# Altium PCB RFSOC_SAWG.PcbDoc (part 7 of 15)
Units mm, origin at the board's own origin, x right, y up, seen from the top; angles counter-clockwise.
Board outline 221.25 x 100 mm, 8 copper layers (Top Layer, Mid-Layer 2, Mid-Layer 3, Mid-Layer 4, Mid-Layer 5, Mid-Layer 6, Mid-Layer 7, Bottom Layer), stack 1.455 mm thick; 1107 components, 833 nets, 3980 pads, 2483 vias.
Unrouted connection lines stored in the file: 1.
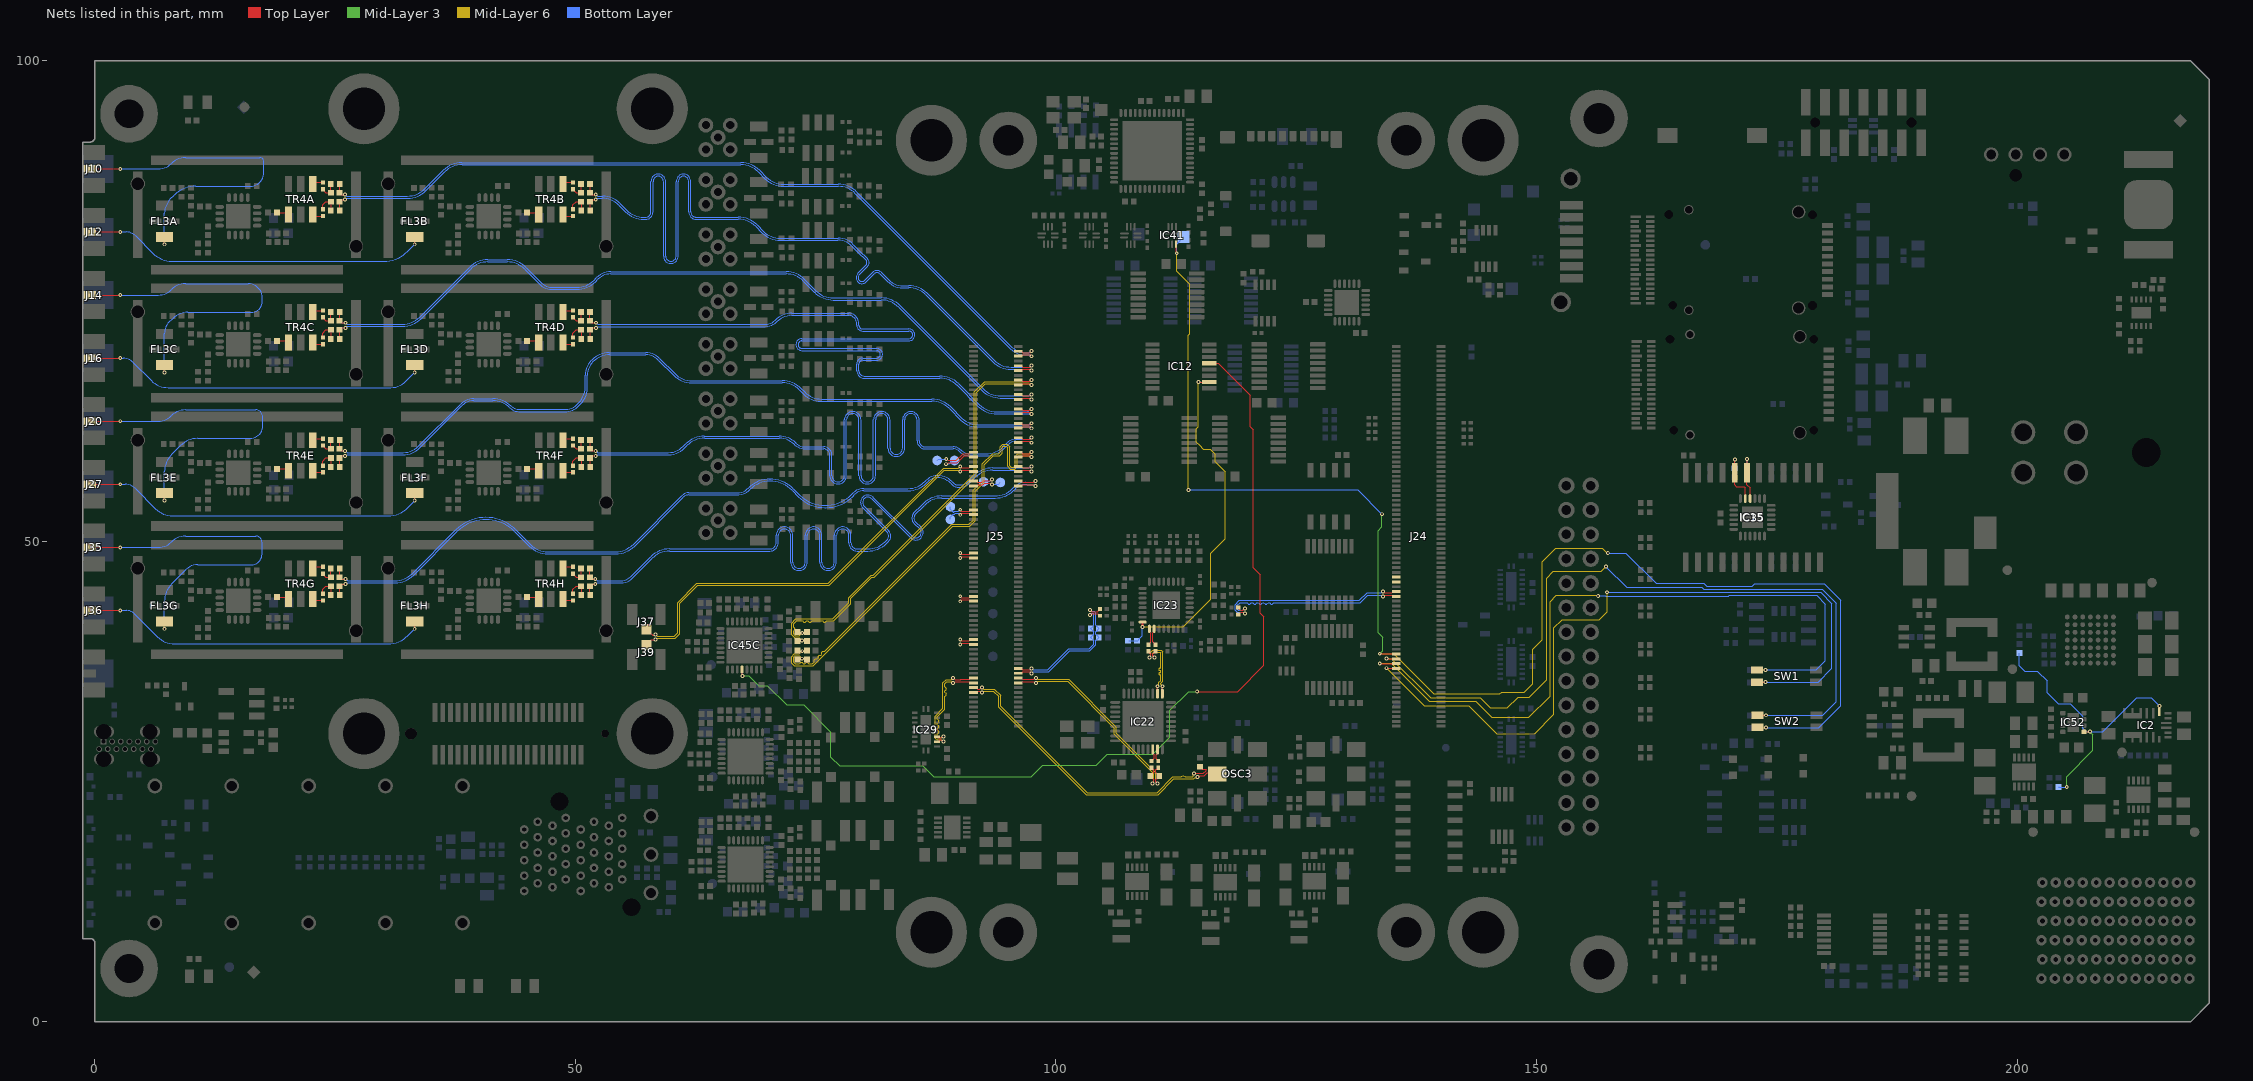
[diagram p13: the nets of this part, all layers, seen from the top]

## Via types
v1: diameter 0.4, hole 0.2, Top Layer to Bottom Layer, tented both sides, 1996 vias
v2: diameter 0.55, hole 0.2, Top Layer to Bottom Layer, 149 vias
v3: diameter 0.5, hole 0.2, Top Layer to Bottom Layer, tented both sides, 106 vias
v4: diameter 0.6, hole 0.3, Top Layer to Bottom Layer, tented both sides, 99 vias
v5: diameter 0.4, hole 0.15, Top Layer to Bottom Layer, tented both sides, 60 vias
v6: diameter 0.6, hole 0.3, Top Layer to Bottom Layer, 32 vias
v7: diameter 0.8, hole 0.5, Top Layer to Bottom Layer, tented both sides, 23 vias
v8: diameter 0.3/0.4/0.4/0.4/0.4/0.3 (per signal layer), hole 0.2, Top Layer to Bottom Layer, tented both sides, 12 vias
v9: diameter 0.4, hole 0.2, Top Layer to Bottom Layer, 5 vias
v10: diameter 0.5, hole 0.2, Top Layer to Bottom Layer, 1 vias

## Nets (pads, with @x,y where several pads share a name; then routed paths per layer and width w, separated by ;. In a path a pad name is that pad's centre, name@x,y a point inside that pad or via, vN(x,y) a via of type N, cw(c..) or ccw(c..) an arc to the next point about the centre after c; other vN are vias at no path point) (continued)
CEC: IC12.5 IC45C.4 | length 101.6
  Top Layer w0.127: IC45C.4@67.347,36.668 67.363,36.652 67.363,35.996 v1(67.379,35.98) ; v1(114.7,34.375) 118.925,34.375 121.65,37.1 121.65,42.15 121.272,42.528 121.272,46.521 120.542,47.25 120.542,61.631 120.234,61.938 120.234,65.181 116.891,68.525 IC12.5@115.95,68.525
  Mid-Layer 3 w0.127: v1(67.379,35.98) 67.392,35.993 68.057,35.993 69.075,34.975 69.985,34.975 71.985,32.975 73.75,32.975 76.6,30.125 76.6,27.525 77.5,26.625 86.15,26.625 87.275,25.5 97.425,25.5 98.65,26.725 104.2,26.725 105.325,27.85 110.075,27.85 111.825,29.6 111.825,32.403 113.797,34.375 v1(114.7,34.375)
CK_FPGAIO_N: C6.2 J25.23 R73.2 R76.2 | length 15.4
  Top Layer w0.093: J25.23@96.085,36.272 96.4,36.272 96.54,36.412 97.35,36.412 97.45,36.312 v1(97.45,36.259) ; v1(103.548,42.869) 103.577,42.869 103.756,42.69 104.364,42.69 104.419,42.744 104.419,42.747 ; 104.419,42.748 104.419,42.802 104.573,42.955 C6.2@104.598,42.955
  Bottom Layer w0.093: v1(97.45,36.259) 97.504,36.259 97.658,36.412 99.237,36.412 101.425,38.6 103.536,38.6 104.16,39.224 104.16,39.682 104.214,39.736 104.237,39.736 104.48,39.98 R73.2@104.48,40 104.48,40.02 104.237,40.263 104.214,40.263 104.16,40.318 104.16,40.607 104.214,40.661 104.237,40.661 104.48,40.905 R76.2@104.48,40.925 104.48,40.945 104.237,41.188 104.214,41.188 104.16,41.243 104.16,41.374 104.168,41.382 104.168,42.513 103.965,42.715 103.756,42.715 103.602,42.869 v1(103.548,42.869)
CK_FPGAIO_P: C4.2 J25.25 R75.2 R78.2 | length 14.6
  Top Layer w0.093: J25.25@96.085,36.772 96.4,36.772 96.54,36.632 97.35,36.632 97.45,36.732 v1(97.45,36.786) ; v1(103.548,42.342) 103.628,42.342 103.756,42.47 104.364,42.47 104.419,42.415 104.419,42.409 104.573,42.255 C4.2@104.598,42.255
  Bottom Layer w0.093: v1(97.45,36.786) 97.504,36.786 97.658,36.632 99.146,36.632 101.334,38.82 103.445,38.82 103.94,39.315 103.94,39.682 103.886,39.736 103.864,39.736 103.62,39.98 R75.2@103.62,40 103.62,40.02 103.864,40.263 103.886,40.263 103.94,40.318 103.94,40.607 103.886,40.661 103.864,40.661 103.62,40.905 R78.2@103.62,40.925 103.62,40.945 103.864,41.188 103.886,41.188 103.94,41.243 103.94,41.466 103.948,41.473 103.948,42.422 103.874,42.495 103.756,42.495 103.602,42.342 v1(103.548,42.342)
CK_GTP_N: C50.2 J24.58 | length 20.1
  Top Layer w0.093: C50.2@118.975,42.38 119,42.38 119.154,42.533 119.154,42.578 119.208,42.632 119.467,42.632 119.621,42.479 v1(119.675,42.479) ; v1(134.05,44.786) 134.05,44.732 134.15,44.632 134.96,44.632 135.1,44.772 J24.58@135.415,44.772
  Bottom Layer w0.093: v1(119.675,42.479) 119.621,42.479 119.467,42.632 118.857,42.632 118.655,42.834 118.655,43.416 119.084,43.845 131.584,43.845 132.371,44.632 133.842,44.632 133.996,44.786 v1(134.05,44.786)
CK_GTP_P: C49.2 J24.56 | length 20
  Top Layer w0.093: C49.2@118.975,43.105 119,43.105 119.154,42.951 119.154,42.907 119.208,42.852 119.467,42.852 119.621,43.006 v1(119.675,43.006) ; v1(134.05,44.259) 134.05,44.312 134.15,44.412 134.96,44.412 135.1,44.272 J24.56@135.415,44.272
  Bottom Layer w0.093: v1(119.675,43.006) 119.621,43.006 119.467,42.852 118.948,42.852 118.875,42.925 118.875,43.325 119.175,43.625 119.55,43.625 119.89,43.625 119.963,43.552 119.963,43.548 120.036,43.475 120.183,43.475 120.256,43.548 120.256,43.552 120.329,43.625 120.476,43.625 120.549,43.552 120.549,43.548 120.622,43.475 120.769,43.475 120.842,43.548 120.842,43.552 120.915,43.625 121.062,43.625 121.135,43.552 121.135,43.548 121.208,43.475 121.355,43.475 121.428,43.548 121.428,43.552 121.501,43.625 121.648,43.625 121.721,43.552 121.721,43.548 121.794,43.475 121.941,43.475 122.014,43.548 122.014,43.552 122.087,43.625 122.234,43.625 122.307,43.552 122.307,43.548 122.38,43.475 122.527,43.475 122.6,43.548 122.6,43.552 122.673,43.625 122.775,43.625 131.675,43.625 132.462,44.412 133.842,44.412 133.996,44.259 v1(134.05,44.259)
CKIN0_N: C214.2 IC22.17 | length 1.3
  Top Layer w0.093: IC22.17@110.575,28.35 110.575,27.957 110.435,27.817 110.435,27.39 110.65,27.175 C214.2@110.65,27.15
CKIN0_P: C212.2 IC22.16 | length 1.4
  Top Layer w0.093: C212.2@109.95,27.15 109.95,27.175 110.215,27.44 110.215,27.817 110.075,27.957 IC22.16@110.075,28.35
CKOUT_1_N: C10.2 IC23.2 | length 1.8
  Top Layer w0.093: IC23.2@110.225,40.9 110.225,40.607 110.085,40.467 110.085,39.54 110.35,39.275 C10.2@110.35,39.25
CKOUT_1_P: C7.2 IC23.1 | length 1.8
  Top Layer w0.093: C7.2@109.625,39.25 109.625,39.275 109.865,39.515 109.865,40.467 109.725,40.607 IC23.1@109.725,40.9
CKOUT_D_1_N: C10.1 IC22.29 | length 7.2
  Top Layer w0.093: v1(110.251,37.9) 110.251,37.954 110.097,38.108 110.097,38.317 110.152,38.372 110.196,38.372 110.35,38.525 C10.1@110.35,38.55 ; v1(110.562,34.925) 110.568,34.918 110.568,34.157 IC22.29@110.575,34.15
  Mid-Layer 6 w0.08: v1(110.251,37.9) 110.251,37.947 110.091,38.107 110.091,38.366 110.173,38.448 110.878,38.448 110.881,38.445 110.925,38.401 110.925,37.175 110.925,36.905 cw(c110.81,36.905) 110.81,36.79 ccw(c110.81,36.675) 110.695,36.675 ccw(c110.81,36.675) 110.81,36.56 cw(c110.81,36.445) 110.925,36.445 cw(c110.81,36.445) 110.81,36.33 ccw(c110.81,36.215) 110.695,36.215 ccw(c110.81,36.215) 110.81,36.1 cw(c110.81,35.985) 110.925,35.985 110.925,35.8 110.925,35.517 110.722,35.313 110.722,35.132 110.562,34.972 v1(110.562,34.925)
CKOUT_D_1_P: C7.1 IC22.28 | length 7.4
  Top Layer w0.093: C7.1@109.625,38.55 109.625,38.525 109.778,38.372 109.823,38.372 109.877,38.317 109.877,38.108 109.724,37.954 v1(109.724,37.9) ; IC22.28@111.075,34.15 111.082,34.157 111.082,34.918 v1(111.089,34.925)
  Mid-Layer 6 w0.08: v1(109.724,37.9) 109.724,37.947 109.884,38.107 109.884,38.452 110.088,38.655 110.964,38.655 111.132,38.487 111.132,35.431 110.929,35.228 110.929,35.132 111.089,34.972 v1(111.089,34.925)
CLK0A_100MHz_N: J24.64
CLK0A_100MHz_P: J24.62
CLK1_N: J25.16 OSC3.5 | length 31.7
  Top Layer w0.093: J25.16@91.415,34.272 91.73,34.272 91.87,34.412 92.092,34.412 92.246,34.259 v1(92.3,34.259) ; v1(114.75,25.472) 114.833,25.472 114.987,25.625 115.417,25.625 115.725,25.932 116.662,25.932 OSC3.5@116.785,25.809
  Mid-Layer 6 w0.08: v1(92.3,34.259) 92.347,34.259 92.507,34.419 93.506,34.419 94.05,33.875 94.05,32.757 103.157,23.65 110.643,23.65 112.269,25.277 113,25.277 114.327,25.277 114.461,25.41 114.689,25.41 v1(114.75,25.472)
CLK1_P: J25.18 R225.2 | length 31.6
  Top Layer w0.093: J25.18@91.415,34.772 91.73,34.772 91.87,34.632 92.092,34.632 92.246,34.786 v1(92.3,34.786) ; v1(114.377,25.848) 114.38,25.845 115.326,25.845 115.636,26.155 115.636,26.232 115.582,26.287 115.244,26.287 R225.2@115,26.53
  Mid-Layer 6 w0.08: v1(92.3,34.786) 92.347,34.786 92.507,34.626 93.592,34.626 94.257,33.961 94.257,32.843 103.243,23.857 110.557,23.857 112.184,25.484 113,25.484 113.04,25.484 113.11,25.554 113.11,25.564 113.18,25.634 113.32,25.634 113.39,25.564 113.39,25.554 113.46,25.484 113.975,25.484 114.241,25.484 114.316,25.558 114.316,25.786 v1(114.377,25.848)
CLK2_N: IC29.4 J25.20 | length 11.3
  Top Layer w0.093: IC29.4@87.625,29.65 87.704,29.571 87.913,29.571 87.933,29.552 88.093,29.552 88.246,29.705 v1(88.301,29.705) ; v1(89.3,35.25) 89.354,35.25 89.508,35.404 90.202,35.404 90.211,35.412 90.96,35.412 91.1,35.272 J25.20@91.415,35.272
  Mid-Layer 6 w0.08: v1(88.301,29.705) 88.252,29.705 88.092,29.545 87.73,29.545 87.664,29.611 87.664,29.632 87.664,29.952 87.734,30.022 87.744,30.022 87.814,30.092 87.814,30.232 87.744,30.302 87.734,30.302 87.664,30.372 87.664,30.512 87.734,30.582 87.744,30.582 87.814,30.652 87.814,30.792 87.744,30.862 87.734,30.862 87.664,30.932 87.664,31.072 87.734,31.142 87.744,31.142 87.814,31.212 87.814,31.352 87.744,31.422 87.734,31.422 87.664,31.492 87.664,31.739 87.674,31.749 88.45,32.525 88.45,33.55 88.45,33.87 88.52,33.94 88.53,33.94 88.6,34.01 88.6,34.15 88.53,34.22 88.52,34.22 88.45,34.29 88.45,34.43 88.52,34.5 88.53,34.5 88.6,34.57 88.6,34.71 88.53,34.78 88.52,34.78 88.45,34.85 88.45,34.975 88.45,35.2 88.66,35.41 89.093,35.41 89.253,35.25 v1(89.3,35.25)
CLK2_P: IC29.3 J25.22 | length 11.4
  Top Layer w0.093: IC29.3@87.625,29.15 87.8,29.15 87.879,29.229 87.879,29.247 87.964,29.332 88.082,29.332 88.236,29.178 v1(88.29,29.178) ; v1(89.3,35.777) 89.354,35.777 89.508,35.623 90.111,35.623 90.12,35.632 90.96,35.632 91.1,35.772 J25.22@91.415,35.772
  Mid-Layer 6 w0.08: v1(88.29,29.178) 88.243,29.178 88.083,29.338 87.644,29.338 87.457,29.525 87.457,30.725 87.457,31.468 87.457,31.825 88.243,32.611 88.243,35.286 88.574,35.617 89.093,35.617 89.253,35.777 v1(89.3,35.777)
CLK3_N: C214.1 J25.21 R69.1 | length 22.3
  Top Layer w0.093: J25.21@96.085,35.772 96.4,35.772 96.54,35.632 97.717,35.632 97.871,35.786 v1(97.925,35.786) ; v1(110.563,24.8) 110.563,24.854 110.409,25.008 110.409,25.263 110.464,25.317 110.526,25.317 110.769,25.561 R69.1@110.769,25.581 110.769,25.601 110.526,25.844 110.464,25.844 110.409,25.899 110.409,26.048 110.41,26.049 110.41,26.217 110.464,26.271 110.496,26.271 110.65,26.425 C214.1@110.65,26.45
  Mid-Layer 6 w0.08: v1(97.925,35.786) 97.972,35.786 98.132,35.626 101.312,35.626 106.3,30.638 106.3,30.027 110.403,25.924 110.403,25.007 110.563,24.847 v1(110.563,24.8)
CLK3_P: C212.1 J25.19 R69.2 | length 21.9
  Top Layer w0.093: J25.19@96.085,35.272 96.4,35.272 96.54,35.412 97.717,35.412 97.871,35.259 v1(97.925,35.259) ; C212.1@109.95,26.45 109.95,26.425 110.104,26.271 110.136,26.271 110.19,26.217 110.19,26.14 110.189,26.139 110.189,25.899 110.135,25.844 110.073,25.844 109.829,25.601 R69.2@109.829,25.581 109.829,25.561 110.073,25.317 110.135,25.317 110.189,25.263 110.189,25.008 110.036,24.854 v1(110.036,24.8)
  Mid-Layer 6 w0.08: v1(97.925,35.259) 97.972,35.259 98.132,35.419 101.226,35.419 106.093,30.552 106.093,29.941 110.196,25.838 110.196,25.007 110.036,24.847 v1(110.036,24.8)
CLK_SEL: IC12.2 IC23.32 R74.1 R77.2 | length 37.5
  Top Layer w0.127: v1(114.823,66.575) IC12.2@115.95,66.575
  Top Layer w0.254: v1(109,41.1) 109.013,41.113 109.013,41.588 IC23.32@109.025,41.6
  Mid-Layer 6 w0.127: v1(109,41.1) 113.246,41.1 116.125,43.979 116.125,48.75 117.625,50.25 117.625,57.25 116.575,58.3 116.575,59.05 116.05,59.575 115.343,59.575 114.89,60.028 114.625,60.293 114.625,61.7 114.823,61.898 v1(114.823,66.575)
  Bottom Layer w0.127: R77.2@107.6,39.67 108.5,39.67 108.52,39.67 108.746,39.896 108.746,39.916 109,40.17 v1(109,41.1)
CLKA_N: J25.38 | length 1.5
  Top Layer w0.093: v1(90.05,39.786) 90.05,39.732 90.15,39.632 90.96,39.632 91.1,39.772 J25.38@91.415,39.772
CLKA_P: J25.36 | length 1.5
  Top Layer w0.093: v1(90.05,39.259) 90.05,39.312 90.15,39.412 90.96,39.412 91.1,39.272 J25.36@91.415,39.272
CLKB_N: J25.56 | length 1.5
  Top Layer w0.093: v1(90.05,44.286) 90.05,44.232 90.15,44.132 90.96,44.132 91.1,44.272 J25.56@91.415,44.272
CLKB_P: J25.54 | length 1.5
  Top Layer w0.093: v1(90.05,43.759) 90.05,43.812 90.15,43.912 90.96,43.912 91.1,43.772 J25.54@91.415,43.772
CLKC_N: J25.74 | length 1.5
  Top Layer w0.093: v1(90.05,48.786) 90.05,48.732 90.15,48.632 90.96,48.632 91.1,48.772 J25.74@91.415,48.772
CLKC_P: J25.72 | length 1.5
  Top Layer w0.093: v1(90.05,48.259) 90.05,48.312 90.15,48.412 90.96,48.412 91.1,48.272 J25.72@91.415,48.272
CLKD_N: B8.1 J25.92 | length 3
  Top Layer w0.093: v1(90.05,53.286) 90.05,53.232 90.15,53.132 90.96,53.132 91.1,53.272 J25.92@91.415,53.272
  Bottom Layer w0.093: B8.1@89.025,53.6 89.025,53.355 89.245,53.134 89.245,53.102 89.3,53.048 89.377,53.048 89.462,53.132 89.842,53.132 89.996,53.286 v1(90.05,53.286)
CLKD_P: B7.1 J25.90 | length 3
  Top Layer w0.093: v1(90.05,52.759) 90.05,52.812 90.15,52.912 90.96,52.912 91.1,52.772 J25.90@91.415,52.772
  Bottom Layer w0.093: B7.1@89.025,52.275 89.025,52.521 89.245,52.741 89.245,52.773 89.3,52.828 89.468,52.828 89.553,52.912 89.842,52.912 89.996,52.759 v1(90.05,52.759)
CLKE_N: B11.1 J25.104 | length 3.1
  Top Layer w0.093: J25.104@91.415,56.272 91.73,56.272 91.87,56.132 92.34,56.132 92.491,56.283 93.161,56.283 93.311,56.433 v1(93.369,56.433)
  Bottom Layer w0.093: B11.1@92.475,56.2 92.536,56.261 93.115,56.261 93.286,56.433 v1(93.369,56.433)
CLKE_P: B10.1 J25.102 | length 3.1
  Top Layer w0.093: J25.102@91.415,55.772 91.73,55.772 91.87,55.912 92.431,55.912 92.582,56.063 93.141,56.063 93.299,55.906 v1(93.349,55.906)
  Bottom Layer w0.093: v1(93.349,55.906) 93.408,55.965 94.065,55.965 B10.1@94.225,56.125
CLKF_N: B13.1 J25.116 | length 4.2
  Top Layer w0.093: v1(88.592,58.552) 88.665,58.552 88.8,58.417 89.644,58.417 90.359,59.132 90.96,59.132 91.1,59.272 J25.116@91.415,59.272
  Bottom Layer w0.093: B13.1@87.65,58.411 87.791,58.552 v1(88.592,58.552)
CLKF_P: B12.1 J25.114 | length 4.3
  Top Layer w0.093: v1(88.575,58.025) 88.611,58.025 88.783,58.197 89.735,58.197 90.451,58.912 90.96,58.912 91.1,58.772 J25.114@91.415,58.772
  Bottom Layer w0.093: v1(88.575,58.025) 88.634,58.084 88.883,58.084 89.211,58.411 B12.1@89.456,58.411
CPLD_IO0: J24.26 R117.1 SW1.4 | length 79.1
  Top Layer w0.127: v1(134.4,36.8) 134.414,36.786 135.401,36.786 J24.26@135.415,36.772 ; SW1.4@172.95,35.349 v1(173.825,35.35)
  Mid-Layer 6 w0.127: v1(134.4,36.8) 138.325,32.875 142.975,32.875 145.85,30 149.825,30 151.825,32 151.825,41 152.659,41.834 156.534,41.834 157.35,42.65 v1@157.35,44.698
  Bottom Layer w0.127: v1(157.35,44.7) 179.575,44.7 180.75,43.525 180.75,36.775 179.325,35.35 v1(173.825,35.35) R117.1@173.145,35.35
CPLD_IO1: J24.28 R118.1 SW1.3 | length 75.9
  Top Layer w0.127: v1(133.7,37.3) 133.714,37.286 135.401,37.286 J24.28@135.415,37.272 ; SW1.3@172.95,36.619 172.956,36.625 v1(173.825,36.625)
  Mid-Layer 6 w0.127: v1(133.7,37.3) 134.887,37.3 138.837,33.35 143.675,33.35 145.325,31.7 149.225,31.7 151.425,33.9 151.425,43.725 152.075,44.375 156.375,44.375 v1(156.425,44.325)
  Bottom Layer w0.127: v1(156.425,44.325) 157.173,44.325 157.188,44.309 170.009,44.309 170.08,44.38 179.145,44.38 180.05,43.475 180.05,37.575 179.1,36.625 v1(173.825,36.625) 173.161,36.625 R118.1@173.145,36.609
CPLD_IO2: IC41.5 J24.32 R164.1 SW2.4 TP5.1 | length 152.8
  Top Layer w0.127: IC41.5@112.5,80.925 112.5,80.124 112.575,80.049 v1(112.575,79.975) ; v1(133.7,38.3) 133.714,38.286 135.401,38.286 J24.32@135.415,38.272 ; SW2.4@173,30.649 173.029,30.62 v1(173.884,30.62)
  Mid-Layer 3 w0.127: v1(133.7,38.3) 134,38.6 134,40 133.525,40.475 133.525,51.125 133.925,51.525 v1(133.925,52.825)
  Mid-Layer 6 w0.127: v1(112.575,79.975) 112.575,78.125 113.94,76.76 113.94,71.613 113.796,71.468 113.796,55.486 113.798,55.484 v1(113.798,55.327) ; v1(133.7,38.3) 135.15,38.3 139.325,34.125 146.173,34.125 146.366,34.319 148.744,34.319 149.6,35.175 149.6,38.75 150.6,39.75 150.6,47.9 152,49.3 156.85,49.3 157.375,48.775 v1(157.425,48.775)
  Bottom Layer w0.127: v1(112.575,79.975) 112.575,80.925 TP5.1@113.325,81.675 ; v1(113.798,55.327) 113.822,55.351 131.399,55.351 v1(133.925,52.825) ; v1(157.425,48.775) 159.3,48.775 162.45,45.625 167.4,45.625 167.7,45.325 172.452,45.325 172.702,45.575 179.925,45.575 181.65,43.85 181.65,32.9 179.37,30.62 v1(173.884,30.62) 173.206,30.62 R164.1@173.145,30.559
CPLD_JTAGEN: J24.30 R198.2 SW2.3 | length 83.6
  Top Layer w0.127: v1(134.4,37.8) 134.414,37.786 135.401,37.786 J24.30@135.415,37.772 ; SW2.3@173,31.919 173.021,31.898 v1(173.9,31.898)
  Mid-Layer 6 w0.127: v1(134.4,37.8) 134.887,37.8 138.987,33.7 144.175,33.7 145.2,32.675 146.975,32.675 148.1,33.8 149.25,33.8 151.05,35.6 151.05,46.175 151.75,46.875 156.725,46.875 v1(157.225,47.375)
  Bottom Layer w0.127: v1(157.225,47.375) 159.375,45.225 167.175,45.225 167.4,45 179.75,45 181.175,43.575 181.175,33.319 179.775,31.919 175.096,31.919 175.075,31.898 v1(173.9,31.898) 173.159,31.898 R198.2@173.145,31.884
DAC0_N: J25.155 R62A.2 R64A.1 | length 83.6
  Top Layer w0.093: R62A.2@25.502,84.407 25.484,84.424 R64A.1@25.484,85.342 25.691,85.549 v1(26.025,85.549) ; J25.155@96.085,69.272 96.4,69.272 96.54,69.412 97.35,69.412 97.45,69.312 v1(97.45,69.259)
  Bottom Layer w0.093: v1(26.025,85.549) 26.079,85.549 26.233,85.702 26.441,85.702 26.444,85.7 32.533,85.7 ccw(c32.533,88.458) 34.483,86.508 36.411,88.436 cw(c38.207,86.64) 38.207,89.18 67.232,89.18 cw(c67.232,86.64) 69.028,88.436 69.731,87.733 ccw(c71.681,89.683) 71.681,86.925 77.348,86.925 cw(c77.348,84.385) 79.144,86.181 95.268,70.057 ccw(c96.824,71.612) 95.271,70.054 ccw(c96.824,71.612) 96.82,69.412 ccw(c96.824,71.612) 96.824,69.412 97.242,69.412 97.396,69.259 v1(97.45,69.259)
DAC0_P: J25.157 R64A.2 R65A.2 | length 83.6
  Top Layer w0.093: R65A.2@25.492,87.199 25.484,87.192 R64A.2@25.484,86.282 25.691,86.076 v1(26.025,86.076) ; J25.157@96.085,69.772 96.4,69.772 96.54,69.632 97.35,69.632 97.45,69.732 v1(97.45,69.786)
  Bottom Layer w0.093: v1(26.025,86.076) 26.079,86.076 26.233,85.922 26.532,85.922 26.535,85.92 32.532,85.92 ccw(c32.532,88.46) 34.328,86.664 36.256,88.592 cw(c38.206,86.642) 38.206,89.4 67.233,89.4 cw(c67.233,86.644) 69.182,88.593 69.886,87.889 ccw(c71.682,89.685) 71.682,87.145 77.349,87.145 cw(c77.349,84.389) 79.298,86.338 95.423,70.213 ; 95.424,70.213 ccw(c96.825,71.615) 96.825,69.632 97.242,69.632 97.396,69.786 v1(97.45,69.786)
DAC0B_N: J25.149 R62B.2 R64B.1 | length 83.5
  Top Layer w0.093: R62B.2@51.537,84.407 51.537,85.325 R64B.1@51.519,85.342 51.726,85.549 v1(52.125,85.549) ; J25.149@96.085,67.772 96.4,67.772 96.54,67.912 97.35,67.912 97.45,67.812 v1(97.45,67.759)
  Bottom Layer w0.093: v1(52.125,85.549) 52.194,85.549 52.333,85.687 52.775,85.687 cw(c52.775,83.209) 54.527,84.962 55.176,84.313 ccw(c57.126,86.263) 57.126,83.505 57.16,83.505 57.316,83.505 ccw(c57.316,84.271) 58.083,84.271 58.083,87.439 cw(c58.629,87.439) 59.176,87.439 59.176,79.678 ccw(c59.942,79.678) 60.709,79.678 60.709,87.439 cw(c61.255,87.439) 61.802,87.439 61.802,84.271 ccw(c62.568,84.271) 62.568,83.505 63.5,83.505 66.957,83.505 cw(c66.957,80.965) 68.753,82.761 69.381,82.133 ccw(c71.331,84.083) 71.331,81.325 77.326,81.325 cw(c77.326,79.276) 78.775,80.725 79.4,80.1 80.227,79.273 cw(c79.947,78.993) 80.227,78.712 79.382,77.868 ccw(c79.818,77.432) 79.382,76.996 ccw(c79.818,77.432) 80.254,76.996 ; 80.255,76.996 81.099,77.84 cw(c81.379,77.56) 81.66,77.84 82.445,77.055 ccw(c84.074,78.683) 84.074,76.38 84.668,76.38 cw(c84.668,73.84) 86.464,75.636 93.38,68.72 ccw(c95.33,70.671) 93.383,68.717 ccw(c95.33,70.671) 95.326,67.912 ccw(c95.33,70.671) 95.33,67.912 97.242,67.912 97.396,67.759 v1(97.45,67.759)
DAC0B_P: J25.151 R64B.2 R65B.2 | length 83.5
  Top Layer w0.093: R65B.2@51.527,87.199 51.527,86.29 R64B.2@51.519,86.282 51.726,86.076 v1(52.125,86.076) ; J25.151@96.085,68.272 96.4,68.272 96.54,68.132 97.35,68.132 97.45,68.232 v1(97.45,68.286)
  Bottom Layer w0.093: v1(52.125,86.076) 52.164,86.076 52.333,85.907 52.866,85.907 cw(c52.866,83.429) 54.618,85.182 55.331,84.469 ccw(c57.127,86.265) 57.127,83.725 57.16,83.725 57.316,83.725 ccw(c57.316,84.271) 57.863,84.271 57.863,87.439 cw(c58.629,87.439) 59.396,87.439 59.396,79.678 ccw(c59.942,79.678) 60.489,79.678 60.489,87.439 cw(c61.255,87.439) 62.022,87.439 62.022,84.271 ccw(c62.568,84.271) 62.568,83.725 63.5,83.725 66.958,83.725 cw(c66.958,80.969) 68.907,82.918 69.536,82.289 ccw(c71.332,84.085) 71.332,81.545 77.331,81.545 cw(c77.331,79.288) 78.927,80.884 79.556,80.256 80.383,79.429 cw(c79.947,78.993) 80.383,78.557 79.538,77.712 ccw(c79.818,77.432) 79.538,77.151 ccw(c79.818,77.432) 80.098,77.15 80.943,77.996 cw(c81.379,77.56) 81.815,77.996 82.6,77.211 ccw(c84.075,78.686) 84.075,76.6 84.669,76.6 cw(c84.669,73.844) 86.618,75.794 ; 86.618,75.793 93.535,68.876 ccw(c95.331,70.672) 95.331,68.132 97.242,68.132 97.396,68.286 v1(97.45,68.286)
DAC0C_N: J25.137 R62C.2 R64C.1 | length 83.7
  Top Layer w0.093: R62C.2@25.502,71.072 25.484,71.089 R64C.1@25.484,72.007 25.691,72.214 v1(26.1,72.214) ; J25.137@96.085,64.772 96.4,64.772 96.54,64.912 97.35,64.912 97.45,64.812 v1(97.45,64.759)
  Bottom Layer w0.093: v1@26,72.214 26.054,72.214 26.208,72.367 32,72.367 ccw(c32,75.125) 33.95,73.175 39.106,78.331 cw(c40.902,76.535) 40.902,79.075 42.923,79.075 cw(c42.923,76.535) 44.719,78.331 46.347,76.703 ccw(c47.549,77.904) 47.549,76.205 50.149,76.205 ccw(c50.149,78.963) 52.099,77.012 ; 52.099,77.013 52.356,77.27 cw(c53.697,75.928) 53.697,77.825 71.923,77.825 cw(c71.923,75.285) 73.719,77.081 74.883,75.917 ccw(c76.833,77.867) 74.886,75.914 ccw(c76.833,77.867) 76.83,75.109 ccw(c76.833,77.867) 76.833,75.109 81.839,75.109 cw(c81.839,72.569) 83.635,74.365 92.28,65.72 ccw(c94.23,67.671) 92.283,65.717 ccw(c94.23,67.671) 94.226,64.912 ccw(c94.23,67.671) 94.23,64.912 97.242,64.912 97.396,64.759 v1(97.45,64.759)